# Altium PCB 主板_V1.0.PcbDoc (part 2 of 2)
Units mm, origin at the board's own origin, x right, y up, seen from the top; angles counter-clockwise.
Board outline 125 x 53.81 mm, 2 copper layers (Top Layer, Bottom Layer); 125 components, 128 nets, 570 pads, 78 vias.
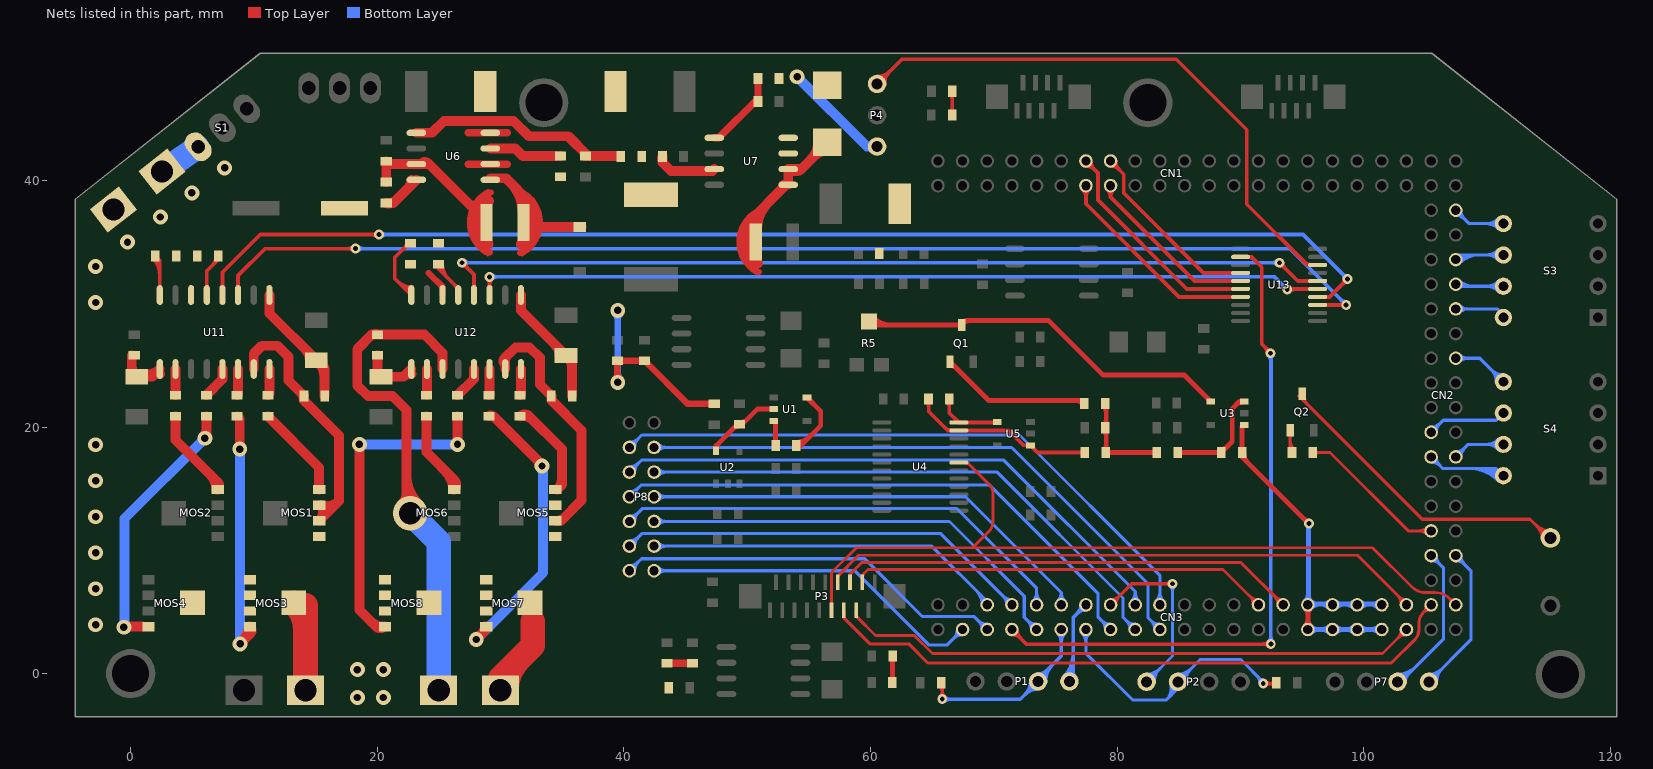
[diagram p2: the nets of this part, all layers, seen from the top]

## Via types
v1: diameter 1.2, hole 0.6, Top Layer to Bottom Layer, 46 vias
v2: diameter 0.8, hole 0.4, Top Layer to Bottom Layer, 22 vias
v3: diameter 1, hole 0.5, Top Layer to Bottom Layer, 6 vias
v4: diameter 2.8, hole 1.8, Top Layer to Bottom Layer, 4 vias

## Nets (pads, with @x,y where several pads share a name; then routed paths per layer and width w, separated by ;. In a path a pad name is that pad's centre, name@x,y a point inside that pad or via, vN(x,y) a via of type N, cw(c..) or ccw(c..) an arc to the next point about the centre after c; other vN are vias at no path point) (continued)
NetB1_2: B1.2 C34.1 MOS1.S MOS3.D U11.15 | length 33.2
  Top Layer w0.8: U11.15@9.982,24.709 9.982,25.947 10.628,26.593 11.898,26.593 12.787,25.704 12.787,23.79 C34.1@14.057,22.52 14.057,22.148 16.902,19.303 16.902,14.011 ; C34.1@14.007,22.42 ccw(c14.542,22.42) 14.164,22.041 ; MOS1.S@15.404,13.641 ccw(c15.847,15.066) 16.902,14.011 ; MOS1.S@15.432,13.678 cw(c14.553,13.129) 15.286,12.395 16.902,14.011
  Top Layer w2: MOS3.D@13.237,5.74 cw(c10.961,3.464) 14.18,3.464 ; B1.2@14.18,-1.347 MOS3.D@14.18,5.54
NetB2_1: B2.1 C37.1 MOS6.D MOS8.S U12.11 | length 45.5
  Top Layer w0.8: 19.375,27.314 cw(c19.926,26.763) C37.1@19.926,27.542 ; 22.363,16.18 ccw(c25.853,16.18) MOS6.D@23.385,13.712 ; MOS6.D@22.944,13.969 cw(c23.154,14.731) 22.363,14.731 22.363,21.386 21.245,22.504 19.239,22.504 18.375,23.367 18.375,26.314 19.554,27.492 C37.1@20.026,27.492 23.826,27.492 25.298,26.02 U12.11@25.298,24.709 ; MOS6.D@21.971,13.712 ccw(c21.025,14.658) 22.363,14.658 cw(c21.025,14.658) MOS6.D@21.971,13.712
  Bottom Layer w2: v4(22.678,13.005) 24.979,10.704 B2.1@24.979,-1.347
NetB2_2: B2.2 C36.1 MOS5.S MOS7.D U12.15 | length 30.7
  Top Layer w0.8: U12.15@30.229,25.25 cw(c30.742,25.279) 30.378,25.642 ; U12.15@30.228,25.259 cw(c30.792,25.259) 30.394,25.657 ; U12.15@30.378,24.709 30.378,25.642 ; MOS5.S@34.563,12.37 ccw(c34.563,13.112) 35.087,12.587 ; MOS5.S@34.895,12.395 36.562,14.062 36.562,19.735 34.123,22.173 C36.1@34.123,22.52 33.183,23.459 33.183,25.628 32.345,26.466 31.202,26.466 30.378,25.642
  Top Layer w2: B2.2@29.979,-1.347 29.979,-0.374 32.612,2.259 32.612,4.228 ; B2.2@30.479,-1.347 cw(c34.036,-1.347) 31.521,1.168
NetBT_1: BT.1 S1.3 | length 3.5
  Bottom Layer w2: BT.1@2.54,40.716 S1.3@5.385,42.673
NetC3_1: C3.1 U1.5 | length 7.9
  Top Layer w0.4: C3.1@53.986,18.367 ccw(c53.986,18.926) 54.382,18.531 ; C3.1@53.986,18.517 54.368,18.517 55.967,20.116 55.967,21.292 U1.5@54.857,22.402 ; C3.1@53.986,18.767 ccw(c53.986,20.292) 55.065,19.213 ; C3.1@54.092,18.411 cw(c54.348,18.154) 54.348,18.517 cw(c54.348,18.879) C3.1@54.092,18.623 ; U1.5@55.007,22.402 ccw(c55.369,22.402) 55.113,22.146
NetC3_2: C3.2 U1.3 | length 2.9
  Top Layer w0.4: U1.3@52.157,20.502 52.31,20.35 C3.2@52.31,18.517 ; C3.2@52.203,18.723 ccw(c51.947,18.979) 52.31,18.979 ccw(c52.672,18.979) C3.2@52.416,18.723 ; U1.3@52.222,20.467 cw(c52.01,20.255) U1.3@52.31,20.255
NetC4_1: C4.1 U1.2 U2.5 | length 7.6
  Top Layer w0.4: U2.5@47.484,18.092 47.484,18.49 49.211,20.218 C4.1@49.389,20.218 49.592,20.218 50.826,21.452 U1.2@51.903,21.452 ; U2.5@47.534,18.192 cw(c48.376,18.192) 47.78,18.787 ; 48.9,19.907 cw(c49.289,19.518) C4.1@49.289,20.068 ; C4.1@49.489,20.368 ccw(c49.489,20.979) 49.921,20.547
NetC10_1: C10.1 U4.24 U5.4 | length 6.4
  Top Layer w0.305: C10.1@66.242,22.035 cw(c65.904,21.698) 66.381,21.698 cw(c66.858,21.698) C10.1@66.521,22.035 ; C10.1@66.381,22.275 66.381,21.159 U4.24@67.17,20.37 70.228,20.37 U5.4@70.274,20.417 ; 69.826,20.37 ccw(c69.826,20.765) U5.4@70.105,20.486
NetC10_2: C10.2 R7.2 U4.23 U5.1 | length 17.5
  Top Layer w0.305: C10.2@64.565,22.035 cw(c64.166,21.637) 64.73,21.637 ; 64.73,21.759 cw(c65.121,21.759) C10.2@64.845,22.035 ; C10.2@64.73,22.275 64.73,21.259 66.269,19.72 U4.23@67.17,19.72 71.212,19.72 72.415,18.517 U5.1@72.974,18.517 73.558,17.932 R7.2@77.379,17.932 ; 66.018,19.972 ccw(c66.57,20.524) U4.23@66.57,19.743 ; U5.1@73.172,18.517 ccw(c73.649,18.517) 73.312,18.179 ; R7.2@77.229,17.793 ccw(c76.891,17.455) 76.891,17.932 ccw(c76.891,18.409) R7.2@77.229,18.072
NetC19_2: C19.2 U6.3 | length 5.9
  Top Layer w0.8: U6.3@29.17,42.595 31.192,42.595 31.801,41.986 C19.2@34.86,41.986
NetC34_2: C34.2 D3.K U11.1 | length 14
  Top Layer w0.8: U11.1@11.252,30.709 11.252,29.22 D3.K@15.048,25.425 15.734,24.739 ; 14.152,26.321 cw(c13.255,25.425) D3.K@14.523,25.425 ; D3.K@15.189,25.266 cw(c13.873,23.95) 15.734,23.95 ; D3.K@15.292,25.207 cw(c15.146,24.638) 15.734,24.638 ; D3.K@15.565,25.367 ccw(c16.193,25.199) 15.734,24.739 ; C34.2@15.734,22.52 15.734,24.739
NetC35_2: C35.2 D4.K U11.9 | length 7.3
  Top Layer w0.8: 0.087,24.879 ccw(c0.994,24.879) D4.K@0.353,24.238 ; C35.2@0.087,25.816 0.087,24.104 0.113,24.078 1.732,24.078 ; D4.K@0.85,24.296 ccw(c1.245,25.825) U11.9@2.362,24.709 1.732,24.078 ; U11.9@2.378,24.308 ccw(c2.296,23.515) 1.732,24.079
NetC36_2: C36.2 D5.K U12.1 | length 11.9
  Top Layer w0.8: U12.1@31.648,30.709 31.648,29.46 D5.K@35.302,25.806 35.8,25.308 C36.2@35.8,22.52 ; 34.406,26.702 cw(c33.51,25.806) D5.K@34.777,25.806 ; D5.K@35.443,25.647 cw(c34.582,24.786) 35.8,24.786
NetC37_2: C37.2 D6.K U12.9 | length 5.3
  Top Layer w0.8: C37.2@20.026,25.816 20.026,24.358 D6.K@20.306,24.078 22.128,24.078 ; U12.9@22.758,24.709 22.128,24.078 ; U12.9@22.774,24.308 ccw(c22.692,23.515) 22.128,24.079
NetCN2_6: CN2.6 S3.5 | length 9.3
  Bottom Layer w0.254: CN2.6@107.472,37.156 cw(c107.472,36.135) 108.194,36.857 cw(c108.916,37.579) CN2.6@107.895,37.579 ; CN2.6@107.472,37.579 108.551,36.5 S3.5@111.329,36.5 ; S3.5@110.924,36.095 ccw(c109.946,35.116) 109.946,36.5 ccw(c109.946,37.883) S3.5@110.924,36.905 ; S3.5@111.103,36.274 ccw(c110.559,35.73) 110.559,36.5 ccw(c110.559,37.27) S3.5@111.103,36.725
NetCN2_10: CN2.10 S3.6 | length 11.4
  Bottom Layer w0.254: CN2.10@107.412,33.639 cw(c108.186,32.865) 108.186,33.96 ; CN2.10@107.472,33.579 107.853,33.96 S3.6@111.329,33.96 ; CN2.10@107.591,33.46 cw(c108.799,32.252) 108.799,33.96 ; CN2.10@107.771,33.28 cw(c109.412,31.639) 109.412,33.96 ; S3.6@110.924,33.555 ccw(c109.946,32.576) 109.946,33.96 ccw(c109.946,35.343) S3.6@110.924,34.365 ; S3.6@111.103,33.734 ccw(c110.559,33.19) 110.559,33.96 ccw(c110.559,34.73) S3.6@111.103,34.185
NetCN2_12: CN2.12 S3.7 | length 9.7
  Bottom Layer w0.254: CN2.12@107.472,31.579 107.631,31.42 S3.7@111.329,31.42 ; CN2.12@107.591,31.699 ccw(c108.264,32.372) 108.264,31.42 ; CN2.12@107.771,31.28 cw(c108.108,30.942) 108.108,31.42 ; CN2.12@107.771,31.878 ccw(c108.878,32.985) 108.878,31.42 ; S3.7@110.924,31.015 ccw(c109.946,30.036) 109.946,31.42 ccw(c109.946,32.803) S3.7@110.924,31.825 ; S3.7@111.103,31.194 ccw(c110.559,30.65) 110.559,31.42 ccw(c110.559,32.19) S3.7@111.103,31.645
NetCN2_14: CN2.14 S3.8 | length 5.9
  Bottom Layer w0.254: CN2.14@107.472,29.579 110.868,29.579 111.329,29.118 S3.8@111.329,28.88 ; CN2.14@107.771,29.28 cw(c108.493,28.558) 108.493,29.579 cw(c108.493,30.6) CN2.14@107.771,29.878
NetCN2_18: CN2.18 S4.5 | length 9.6
  Bottom Layer w0.254: CN2.18@107.472,25.579 109.423,25.579 S4.5@111.329,23.673 ; CN2.18@107.771,25.28 cw(c108.493,24.558) 108.493,25.579 cw(c108.493,26.6) CN2.18@107.771,25.878 ; S4.5@110.756,23.673 ccw(c109.373,23.673) 110.351,24.651 ccw(c111.329,25.629) S4.5@111.329,24.246 ; S4.5@111.01,23.673 ccw(c110.24,23.673) 110.784,24.217 ccw(c111.329,24.762) S4.5@111.329,23.992
NetCN2_23: CN2.23 S4.6 | length 8.1
  Bottom Layer w0.254: CN2.23@105.472,19.579 106.441,20.548 110.744,20.548 S4.6@111.329,21.133 ; CN2.23@105.472,20.002 ccw(c105.472,21.023) 106.194,20.301 ccw(c106.916,19.579) CN2.23@105.895,19.579
NetCN2_25: CN2.25 S4.8 | length 15.8
  Bottom Layer w0.254: CN2.25@105.472,17.156 cw(c105.472,16.135) 106.194,16.857 cw(c106.916,17.579) CN2.25@105.895,17.579 ; CN2.25@105.472,17.579 106.415,16.636 110.746,16.636 S4.8@111.329,16.053 ; 108.537,16.636 cw(c108.537,13.261) S4.8@110.924,15.648 ; 109.15,16.636 cw(c109.15,13.874) S4.8@111.103,15.827 ; 109.763,16.636 cw(c109.763,14.487) S4.8@111.283,16.007 ; 110.377,16.636 cw(c110.377,15.1) S4.8@111.463,16.186
NetCN2_26: CN2.26 S4.7 | length 9.3
  Bottom Layer w0.254: CN2.26@107.472,17.579 108.486,18.593 S4.7@111.329,18.593 ; CN2.26@107.472,18.002 ccw(c107.472,19.023) 108.194,18.301 ccw(c108.916,17.579) CN2.26@107.895,17.579 ; S4.7@110.924,18.188 ccw(c109.946,17.209) 109.946,18.593 ccw(c109.946,19.976) S4.7@110.924,18.998 ; S4.7@111.103,18.367 ccw(c110.559,17.823) 110.559,18.593 ccw(c110.559,19.363) S4.7@111.103,18.818
NetCN2_31: CN2.31 R33.1 | length 14.8
  Top Layer w0.254: R33.1@95.733,17.932 97.267,17.932 103.62,11.579 CN2.31@105.472,11.579 ; R33.1@96.043,17.775 cw(c96.423,17.394) 96.423,17.932 cw(c96.423,18.471) R33.1@96.043,18.09 ; CN2.31@105.173,11.28 ccw(c104.451,10.558) 104.451,11.579 ccw(c104.451,12.6) CN2.31@105.173,11.878
NetCN2_37: CN2.37 P3.13 | length 54.1
  Top Layer w0.254: P3.13@57.844,5.148 57.844,4.523 59.955,2.412 63.105,2.412 64.654,0.863 102.246,0.863 104.14,2.757 ccw(c103.316,3.581) 104.481,3.581 104.481,4.064 cw(c105.748,4.064) 104.851,4.959 ; P3.13@57.867,4.673 ccw(c58.285,4.673) 57.99,4.378 ; CN2.37@105.052,5.531 cw(c104.36,5.452) 104.852,4.959 ; CN2.37@105.424,5.159 ccw(c105.345,4.467) 104.852,4.959 ; CN2.37@105.472,5.579 104.852,4.959
NetCN3_3: CN3.3 P8.14 | length 31.2
  Bottom Layer w0.254: P8.14@42.448,8.345 58.722,8.345 64.73,2.336 66.229,2.336 CN3.3@67.472,3.579 ; P8.14@42.747,8.046 cw(c43.469,7.323) 43.469,8.345 cw(c43.469,9.366) P8.14@42.747,8.644 ; CN3.3@67.049,3.579 cw(c66.028,3.579) 66.75,2.857 cw(c67.472,2.135) CN3.3@67.472,3.156
NetCN3_5: CN3.5 P8.13 | length 35
  Bottom Layer w0.254: P8.13@40.448,8.345 41.424,9.321 59.523,9.321 64.222,4.622 68.429,4.622 CN3.5@69.472,3.579 ; P8.13@40.448,8.768 ccw(c40.448,9.789) 41.17,9.067 ccw(c41.892,8.345) P8.13@40.871,8.345 ; CN3.5@69.049,3.579 ccw(c68.028,3.579) 68.75,4.301 ccw(c69.472,5.023) CN3.5@69.472,4.002
NetCN3_6: CN3.6 P8.12 | length 33.2
  Bottom Layer w0.254: P8.12@42.448,10.345 64.977,10.345 69.472,5.849 CN3.6@69.472,5.579 ; P8.12@42.747,10.046 cw(c43.469,9.323) 43.469,10.345 cw(c43.469,11.366) P8.12@42.747,10.644 ; 68.559,6.763 cw(c67.375,5.579) CN3.6@69.049,5.579 ; 68.992,6.329 cw(c68.242,5.579) CN3.6@69.303,5.579 ; 69.211,6.11 ccw(c69.472,6.371) CN3.6@69.472,6.002
NetCN3_8: CN3.8 P8.11 | length 37
  Bottom Layer w0.254: P8.11@40.448,10.345 41.456,11.353 65.698,11.353 CN3.8@71.472,5.579 ; P8.11@40.448,10.768 ccw(c40.448,11.789) 41.17,11.067 ccw(c41.892,10.345) P8.11@40.871,10.345 ; CN3.8@71.049,5.579 ccw(c70.028,5.579) 70.75,6.301 ccw(c71.472,7.023) CN3.8@71.472,6.002
NetCN3_9: CN3.9 P8.10 | length 38.9
  Bottom Layer w0.254: P8.10@42.448,12.345 66.406,12.345 72.477,6.273 72.477,4.574 CN3.9@73.472,3.579 ; P8.10@42.747,12.046 cw(c43.469,11.323) 43.469,12.345 cw(c43.469,13.366) P8.10@42.747,12.644 ; CN3.9@73.049,3.579 ccw(c72.028,3.579) 72.75,4.301 ccw(c73.472,5.023) CN3.9@73.472,4.002
NetCN3_10: CN3.10 P8.9 | length 40.7
  Bottom Layer w0.254: P8.9@40.448,12.345 41.488,13.385 67.016,13.385 73.472,6.929 CN3.10@73.472,5.579 ; P8.9@40.448,12.768 ccw(c40.448,13.789) 41.17,13.067 ccw(c41.892,12.345) P8.9@40.871,12.345 ; CN3.10@73.173,5.878 ccw(c72.451,6.6) 73.472,6.6 ccw(c74.493,6.6) CN3.10@73.771,5.878
NetCN3_11: CN3.11 P1.3 R2.1 | length 23.9
  Top Layer w0.305: R2.1@65.607,-0.977 cw(c65.085,-1.498) 65.822,-1.498 ; v2@65.647,-1.883 ccw(c65.225,-1.46) 65.822,-1.46 ccw(c66.42,-1.46) v2@65.998,-1.883 ; R2.1@65.746,-0.737 65.822,-0.814 v2(65.822,-2.058)
  Bottom Layer w0.305: v2@65.822,-2.084 72.147,-2.084 P1.3@73.595,-0.636 ; v2@65.998,-2.233 cw(c66.359,-2.595) 66.359,-2.084 ; v2@65.998,-1.883 ccw(c66.482,-1.399) 66.482,-2.084 ; P1.3@72.997,-0.636 cw(c71.555,-0.636) 72.575,-1.656 cw(c73.595,-2.676) P1.3@73.595,-1.233 ; P1.3@73.595,-0.458 75.472,1.419 CN3.11@75.472,3.579 ; P1.3@73.595,-0.038 ccw(c73.595,0.975) 74.311,0.259 ; P1.3@73.888,-0.636 cw(c75.024,-0.636) 74.22,0.168 ; P1.3@74.192,-0.636 cw(c76.064,-0.636) 74.741,0.688 ; CN3.11@75.191,3.298 cw(c74.512,2.619) 75.472,2.619 cw(c76.432,2.619) CN3.11@75.753,3.298
NetCN3_12: CN3.12 P8.8 | length 40.4
  Bottom Layer w0.254: P8.8@42.448,14.345 67.708,14.345 75.472,6.58 ; P8.8@42.747,14.046 cw(c43.469,13.323) 43.469,14.345 cw(c43.469,15.366) P8.8@42.747,14.644 ; CN3.12@75.177,5.882 ccw(c74.498,6.58) 75.472,6.58 ; CN3.12@75.472,5.579 75.472,6.58 ; CN3.12@75.767,5.882 cw(c76.445,6.58) 75.472,6.58
NetCN3_13: CN3.13 P2.3 R3.1 | length 33.8
  Top Layer w0.254: v2(91.857,-0.788) 92.848,-0.788 R3.1@92.899,-0.738 ; v2@92.05,-0.981 cw(c92.517,-1.447) 92.517,-0.788 cw(c92.517,-0.129) v2@92.05,-0.595 ; v2@92.072,-0.957 cw(c92.34,-1.168) 92.429,-0.838 ; v2@92.094,-0.652 ccw(c92.371,-0.492) 92.288,-0.801 ; v2@92.241,-0.788 cw(c92.241,-1.495) R3.1@92.741,-0.995 ; 92.48,-0.788 ccw(c92.48,-0.419) R3.1@92.741,-0.68
  Bottom Layer w0.254: CN3.13@77.173,3.28 cw(c76.451,2.558) 77.472,2.558 cw(c78.493,2.558) CN3.13@77.771,3.28 ; CN3.13@77.472,3.579 77.472,1.659 81.266,-2.134 84.009,-2.134 ; 84.311,-1.832 ccw(c83.549,-1.069) P2.3@84.584,-0.765 ; P2.3@84.34,-0.837 cw(c83.081,-1.207) 84.009,-2.134 ; 84.614,-1.529 ccw(c84.017,-0.932) P2.3@84.827,-0.694 ; P2.3@84.938,-0.292 ccw(c84.938,0.599) 85.568,-0.031 ccw(c86.197,-0.661) P2.3@85.307,-0.661 ; P2.3@84.938,-0.038 ccw(c84.938,1.466) 86.001,0.402 ccw(c87.065,-0.661) P2.3@85.561,-0.661 ; 91.32,-0.149 cw(c90.68,-0.788) v2@91.584,-0.788 ; 91.565,-0.394 ccw(c91.857,-0.101) v2@91.857,-0.515 ; v2@91.908,-0.737 90.029,1.142 86.741,1.142 P2.3@84.938,-0.661 84.938,-1.206 84.009,-2.134
NetCN3_14: CN3.14 P1.4 | length 12.5
  Bottom Layer w0.305: P1.4@75.712,-0.213 ccw(c73.956,1.543) 76.44,1.543 ; P1.4@75.928,-0.429 ccw(c74.692,0.807) 76.44,0.807 ; P1.4@76.135,-0.636 P1.4@76.44,-0.331 ; P1.4@76.143,-0.644 ccw(c75.428,0.071) 76.44,0.071 ccw(c76.842,0.071) P1.4@76.557,-0.213 ; P1.4@76.44,-0.153 76.44,4.547 CN3.14@77.472,5.579 ; CN3.14@77.074,5.579 cw(c76.114,5.579) 76.793,4.9 cw(c77.472,4.222) CN3.14@77.472,5.182
NetCN3_15: CN3.15 P8.7 | length 48.6
  Bottom Layer w0.254: P8.7@40.448,14.345 41.393,15.29 69.673,15.29 78.446,6.517 78.446,4.605 CN3.15@79.472,3.579 ; P8.7@40.448,14.768 ccw(c40.448,15.789) 41.17,15.067 ccw(c41.892,14.345) P8.7@40.871,14.345 ; CN3.15@79.049,3.579 ccw(c78.028,3.579) 78.75,4.301 ccw(c79.472,5.023) CN3.15@79.472,4.002
NetCN3_16: CN3.16 P2.4 | length 22
  Top Layer w0.254: CN3.16@79.472,5.579 81.182,7.289 v2(84.491,7.289) ; CN3.16@79.472,6.002 ccw(c79.472,7.023) 80.194,6.301 ccw(c80.916,5.579) CN3.16@79.895,5.579 ; v2@84.298,7.096 ccw(c83.832,6.63) 83.832,7.289 ccw(c83.832,7.948) v2@84.298,7.482
  Bottom Layer w0.254: P2.4@82.398,-0.661 84.491,1.433 v2(84.491,7.289) ; P2.4@82.398,-0.292 ccw(c82.398,0.599) 83.028,-0.031 ccw(c83.657,-0.661) P2.4@82.767,-0.661 ; P2.4@82.398,-0.038 ccw(c82.398,1.466) 83.461,0.402 ccw(c84.525,-0.661) P2.4@83.021,-0.661 ; v2@84.298,7.096 cw(c83.832,6.63) 84.491,6.63 cw(c85.151,6.63) v2@84.684,7.096
NetCN3_17: CN3.17 P8.6 | length 48.4
  Bottom Layer w0.254: P8.6@42.448,16.345 70.269,16.345 80.478,6.136 80.478,4.573 CN3.17@81.472,3.579 ; P8.6@42.747,16.046 cw(c43.469,15.323) 43.469,16.345 cw(c43.469,17.366) P8.6@42.747,16.644 ; CN3.17@81.049,3.579 ccw(c80.028,3.579) 80.75,4.301 ccw(c81.472,5.023) CN3.17@81.472,4.002
NetCN3_18: CN3.18 P8.5 | length 50.1
  Bottom Layer w0.254: P8.5@40.448,16.345 41.425,17.322 70.816,17.322 81.472,6.666 CN3.18@81.472,5.579 ; P8.5@40.448,16.768 ccw(c40.448,17.789) 41.17,17.067 ccw(c41.892,16.345) P8.5@40.871,16.345 ; CN3.18@81.173,5.878 ccw(c80.451,6.6) 81.472,6.6 ccw(c82.493,6.6) CN3.18@81.771,5.878
NetCN3_19: CN3.19 P8.4 | length 52
  Bottom Layer w0.254: P8.4@42.448,18.345 71.444,18.345 82.51,7.279 82.51,4.541 CN3.19@83.472,3.579 ; P8.4@42.747,18.046 cw(c43.469,17.323) 43.469,18.345 cw(c43.469,19.366) P8.4@42.747,18.644 ; CN3.19@83.049,3.579 ccw(c82.028,3.579) 82.75,4.301 ccw(c83.472,5.023) CN3.19@83.472,4.002
NetCN3_20: CN3.20 P8.3 | length 53.8
  Bottom Layer w0.254: P8.3@40.448,18.345 41.457,19.354 72.086,19.354 83.472,7.968 CN3.20@83.472,5.579 ; P8.3@40.448,18.768 ccw(c40.448,19.789) 41.17,19.067 ccw(c41.892,18.345) P8.3@40.871,18.345 ; CN3.20@83.173,5.878 ccw(c82.451,6.6) 83.472,6.6 ccw(c84.493,6.6) CN3.20@83.771,5.878
NetCN3_28: CN3.28 P3.16 | length 36.1
  Top Layer w0.229: P3.16@59.344,7.398 59.344,7.999 59.803,8.457 88.593,8.457 CN3.28@91.472,5.579 ; P3.16@59.38,7.873 cw(c59.77,7.873) 59.494,8.149 ; CN3.28@91.036,5.579 ccw(c89.984,5.579) 90.728,6.323 ccw(c91.472,7.067) CN3.28@91.472,6.015
NetCN3_30: CN3.30 P3.14 | length 39.6
  Top Layer w0.254: P3.14@58.344,7.398 58.344,8.066 59.295,9.016 90.035,9.016 CN3.30@93.472,5.579 ; P3.14@58.367,7.873 cw(c58.888,7.873) 58.52,8.241 ; CN3.30@93.049,5.579 ccw(c92.028,5.579) 92.75,6.301 ccw(c93.472,7.023) CN3.30@93.472,6.002
NetCN3_39: CN3.39 P3.15 | length 48.8
  Top Layer w0.254: P3.15@58.844,5.148 58.844,4.666 60.412,3.098 63.562,3.098 65.029,1.631 101.524,1.631 CN3.39@103.472,3.579 ; CN3.39@103.049,3.579 cw(c102.028,3.579) 102.75,2.857 cw(c103.472,2.135) CN3.39@103.472,3.156
NetCN3_40: CN3.40 P3.12 | length 51.2
  Top Layer w0.229: P3.12@57.344,7.398 57.344,7.904 59.041,9.6 99.503,9.6 CN3.40@103.498,5.605 ; 102.691,6.412 cw(c101.858,5.579) CN3.40@103.036,5.579 ; 102.817,6.286 ccw(c103.472,6.94) CN3.40@103.472,6.015 ; 103.081,6.022 cw(c102.638,5.579) CN3.40@103.265,5.579
NetD1_A: D1.A L1.1 U6.1 | length 12.4
  Top Layer w0.8: U6.1@29.17,40.182 30.43,40.182 32.314,38.298 32.456,38.298 ; 30.846,39.766 cw(c28.656,37.576) L1.1@31.753,37.576 ; L1.1@31.924,36.647 ccw(c32.908,37.631) 32.908,36.239 ; L1.1@31.951,36.595 ccw(c32.385,36.681) 32.385,36.239 D1.A@36.551,36.239
NetD2_K: D2.K L2.1 U7.5 U7.6 | length 16.8
  Top Layer w0.8: 50.062,36.563 53.148,39.649 U7.5@53.331,39.649 U7.6@53.331,40.919 54.392,40.919 ; L2.1@50.808,36.026 cw(c53.905,36.026) 51.715,38.216 ; 52.778,39.279 ccw(c52.408,39.649) U7.5@52.931,39.649 ; U7.6@53.841,40.774 ccw(c53.993,41.318) 54.392,40.919 ; U7.6@53.881,40.769 ccw(c53.881,41.641) 54.498,41.024 ; 55.166,41.693 ccw(c53.756,43.103) D2.K@55.751,43.103 ; 55.471,41.997 cw(c56.451,41.018) D2.K@56.451,42.403 ; D2.K@56.602,43.128 54.392,40.919
NetL1_2: L1.2 R8.2 R11.2 U6.7 | length 13.9
  Top Layer w0.8: R8.2@20.727,39.878 R11.2@20.726,41.554 20.956,41.325 U6.7@23.17,41.325 24.207,41.325 ; R11.2@20.791,41.519 ccw(c21.259,41.987) 21.259,41.325 ; U6.7@23.684,41.471 cw(c23.817,40.935) 24.207,41.325 ; U6.7@23.72,41.475 cw(c23.72,40.662) 24.295,41.237 ; 27.653,37.973 cw(c27.653,36.376) L1.2@28.782,37.505 ; L1.2@28.448,37.973 27.559,37.973 24.207,41.325
NetLED1_A: LED1.A R16.1 | length 3.4
  Top Layer w0.305: R16.1@66.484,45.553 ccw(c66.147,45.89) 66.623,45.89 ; LED1.A@66.484,46.996 cw(c66.146,46.659) 66.623,46.659 cw(c67.1,46.659) LED1.A@66.763,46.996 ; R16.1@66.624,45.313 LED1.A@66.623,47.236 ; 66.623,45.89 ccw(c67.101,45.89) R16.1@66.763,45.553
NetLED2_A: LED2.A R17.1 | length 3
  Top Layer w0.4: LED2.A@61.667,-0.506 ccw(c61.35,-0.189) 61.798,-0.189 ; R17.1@61.692,1.216 cw(c61.436,0.96) 61.798,0.96 cw(c62.16,0.96) R17.1@61.904,1.216 ; LED2.A@61.798,-0.687 R17.1@61.798,1.422
NetLS_K: LS.K Q2.3 | length 29
  Top Layer w0.254: Q2.3@94.731,22.532 104.742,12.521 113.488,12.521 LS.K@115.149,10.86 ; Q2.3@94.926,22.513 ccw(c95.351,22.513) 95.051,22.213 ; Q2.3@95.18,22.513 ccw(c96.219,22.513) 95.484,21.779 ; 113.964,12.058 ccw(c115.113,13.207) LS.K@115.113,11.582 ; 114.046,11.963 cw(c112.897,10.815) LS.K@114.522,10.815
NetMOS1_1: MOS1.G R19.1 | length 7.7
  Top Layer w0.8: R19.1@11.136,20.879 15.286,16.729 MOS1.G@15.286,14.935
NetMOS2_1: MOS2.G R24.1 | length 9.4
  Top Layer w0.8: R24.1@3.643,20.879 3.643,18.948 7.056,15.534 ; 6.462,16.129 cw(c5.268,14.935) MOS2.G@6.956,14.935 ; MOS2.G@7.056,14.935 7.056,15.534 ; MOS2.G@7.075,14.919 ccw(c6.739,15.217) 7.057,15.534
NetMOS3_1: MOS3.G R20.1 | length 22.9
  Top Layer w0.8: R20.1@8.639,20.879 8.85,20.667 v1(8.85,18.211) ; v1@8.824,2.605 ccw(c8.633,3.317) 9.271,2.949 ; v1(8.876,2.412) 9.673,3.21 ; v1@9.078,2.615 ccw(c7.884,3.81) MOS3.G@9.573,3.81 ; MOS3.G@9.673,3.81 9.673,3.21 ; MOS3.G@9.692,3.827 cw(c9.355,3.528) 9.673,3.21
  Bottom Layer w0.8: v1(8.876,2.412) v1@8.876,18.211
NetMOS4_1: MOS4.G R23.1 | length 23.1
  Top Layer w0.8: v1@-0.497,3.809 MOS4.G@0.961,3.81 ; v1@-0.406,3.617 cw(c0.058,3.153) 0.058,3.81 ; v1@5.877,19.229 ccw(c5.239,19.867) 6.141,19.867 ; v1(6.018,19.087) 6.141,19.21 R23.1@6.141,20.879
  Bottom Layer w0.8: v1@-0.689,3.9 ccw(c-1.153,4.364) -0.497,4.364 ; v1@-0.497,3.758 -0.497,12.572 v1(6.018,19.087)
  other v1: -0.548,3.758
NetMOS5_1: MOS5.G R25.1 | length 10.8
  Top Layer w0.8: R25.1@31.583,20.878 32.32,20.878 ; R25.1@31.652,20.917 cw(c31.964,20.522) 32.32,20.878 ; R25.1@31.683,20.928 cw(c31.683,19.512) 32.685,20.513 ; MOS5.G@34.58,14.918 ccw(c33.599,15.899) 34.987,15.899 ; MOS5.G@34.657,14.985 34.987,15.315 34.987,18.211 32.32,20.878
NetMOS6_1: MOS6.G R30.1 | length 9.4
  Top Layer w0.8: R30.1@23.978,20.879 23.978,17.968 26.242,15.704 ; 25.528,16.418 cw(c24.046,14.935) MOS6.G@26.142,14.935 ; MOS6.G@26.242,14.935 26.242,15.704 ; MOS6.G@26.261,14.918 ccw(c25.84,15.301) 26.242,15.704
NetMOS7_1: MOS7.G R26.1 | length 27.3
  Top Layer w0.8: v1@27.975,2.961 ccw(c27.704,3.976) MOS7.G@28.613,3.451 ; v1@28.007,2.967 ccw(c27.937,3.647) 28.529,3.305 ; v1(28.027,2.768) 28.825,3.566 MOS7.G@28.825,3.81 ; 28.482,3.222 ccw(c27.894,3.81) MOS7.G@28.725,3.81 ; R26.1@29.048,20.879 29.424,20.879 v1@33.361,16.941 ; R26.1@29.148,20.929 cw(c29.148,20.384) 29.533,20.769 ; 32.948,17.354 cw(c32.433,16.839) v1@33.161,16.839
  Bottom Layer w0.8: v1(28.027,2.768) 33.437,8.178 v1@33.437,16.763 ; v1@33.22,16.698 cw(c32.694,16.173) 33.437,16.173
  other v1: 33.361,16.839
NetMOS8_1: MOS8.G R29.1 | length 28.1
  Top Layer w0.8: v1(18.553,18.592) 18.553,5.155 19.899,3.81 ; 19.513,4.196 ccw(c20.505,5.188) MOS8.G@20.505,3.785 ; MOS8.G@20.521,3.791 cw(c20.22,4.131) 19.899,3.81 ; MOS8.G@20.63,3.81 19.899,3.81 ; v1(26.503,18.592) 26.513,18.602 R29.1@26.513,20.879
  Bottom Layer w0.8: v1(18.553,18.592) v1(26.503,18.592)
NetP4_1: P4.1 U13.8 | length 49.8
  Top Layer w0.305: P4.1@60.539,47.827 62.546,49.834 84.796,49.834 90.511,44.119 90.511,38.074 95.435,33.15 U13.8@96.266,33.15 ; P4.1@60.539,48.425 ccw(c60.539,49.868) 61.559,48.848 ccw(c62.58,47.827) P4.1@61.137,47.827 ; 95.233,33.353 ccw(c95.666,33.786) U13.8@95.666,33.173
NetQ1_1: Q1.1 R6.2 | length 13.5
  Top Layer w0.4: Q1.1@66.447,24.995 cw(c66.447,24.27) 66.959,24.783 ; Q1.1@66.447,25.295 69.594,22.148 R6.2@77.379,22.148 ; 76.595,22.148 cw(c76.595,21.26) R6.2@77.223,21.888
NetQ2_1: Q2.1 R33.2 | length 3.2
  Top Layer w0.254: Q2.1@93.935,19.41 cw(c93.703,19.178) 94.031,19.178 ; R33.2@94.031,17.932 Q2.1@94.031,19.606 ; 94.031,18.939 ccw(c95.089,18.939) R33.2@94.341,18.19 ; 94.031,19.051 cw(c94.538,19.051) Q2.1@94.179,19.41
NetR1_1: R1.1 R4.2 U3.3 | length 10.9
  Top Layer w0.4: R1.1@84.912,17.932 R4.2@88.443,17.932 89.343,18.832 89.343,21.488 89.922,22.067 U3.3@90.308,22.067 ; R1.1@85.018,17.826 cw(c85.274,17.57) 85.274,17.932 cw(c85.274,18.295) R1.1@85.018,18.038 ; R4.2@88.337,17.826 ccw(c88.081,17.57) 88.081,17.932 ccw(c88.081,18.295) R4.2@88.337,18.038 ; R4.2@88.443,18.182 ccw(c88.443,18.786) 88.87,18.359 ; 89.634,21.779 cw(c90.208,21.206) U3.3@90.208,22.017
NetR8_1: R8.1 U6.8 | length 4.8
  Top Layer w0.8: R8.1@20.727,38.176 21.291,38.176 U6.8@23.17,40.055 ; R8.1@20.827,38.126 ccw(c20.827,39.127) 21.535,38.419 ; 22.487,39.372 ccw(c21.805,40.055) U6.8@22.77,40.055
NetR9_2: R9.2 R10.2 U7.1 | length 6.5
  Top Layer w0.6: U7.1@47.331,43.459 47.7,43.459 50.876,46.634 R9.2@50.876,48.285
NetR12_1: R12.1 U7.3 | length 5.6
  Top Layer w0.8: R12.1@43.079,41.835 ccw(c43.857,41.835) 43.307,41.285 ; R12.1@43.129,41.935 43.129,41.463 43.826,40.766 47.179,40.766 U7.3@47.331,40.919
NetR13_2: R13.2 R14.1 U6.5 | length 18.6
  Top Layer w0.8: U6.5@23.17,43.865 24.44,43.865 25.406,44.831 31.049,44.831 32.294,43.586 35.485,43.586 R13.2@37.014,42.057 ; 36.652,42.419 cw(c36.22,41.986) R13.2@36.831,41.986 ; R13.2@36.881,41.986 R14.1@39.649,41.986
NetR19_2: R19.2 U11.16 | length 2.2
  Top Layer w0.8: R19.2@11.136,22.581 11.252,22.697 U11.16@11.252,24.709
NetR20_2: R20.2 U11.14 | length 2.2
  Top Layer w0.8: R20.2@8.639,22.581 8.712,22.654 U11.14@8.712,24.709
NetR21_2: R21.2 U11.8 | length 5.9
  Top Layer w0.305: R21.2@1.841,33.644 cw(c0.584,32.387) 2.362,32.387 ; R21.2@1.981,33.884 2.362,33.503 ; R21.2@2.031,33.593 cw(c2.118,33.259) 2.362,33.503 ; R21.2@2.057,33.86 cw(c1.32,33.123) 2.362,33.123 ; U11.8@2.362,30.709 2.362,33.503
NetR22_2: R22.2 U11.5 | length 4.2
  Top Layer w0.305: U11.5@6.172,30.709 6.172,32.664 R22.2@7.252,33.744 ; 6.648,33.14 ccw(c6.004,33.784) R22.2@6.914,33.784
NetR23_2: R23.2 U11.13 | length 2.7
  Top Layer w0.8: R23.2@6.141,22.581 7.442,23.882 U11.13@7.442,24.709
NetR24_2: R24.2 U11.10 | length 2.1
  Top Layer w0.8: U11.10@3.632,24.709 3.632,22.592 R24.2@3.643,22.581
NetR25_2: R25.2 U12.16 | length 2.2
  Top Layer w0.8: R25.2@31.583,22.58 31.648,22.645 U12.16@31.648,24.709
NetR26_2: R26.2 U12.14 | length 2.2
  Top Layer w0.8: R26.2@29.048,22.581 29.108,22.641 U12.14@29.108,24.709
NetR27_2: R27.2 U12.8 | length 7.9
  Top Layer w0.305: 21.653,31.814 ccw(c22.758,32.92) U12.8@22.758,31.356 ; 22.173,31.294 ccw(c22.758,31.879) U12.8@22.758,31.051 ; 22.21,34.542 cw(c22.593,34.159) R27.2@22.593,34.701 ; R27.2@22.275,34.608 ccw(c21.984,34.899) R27.2@22.396,34.899 ; R27.2@22.566,34.899 21.423,33.756 21.423,32.044 U12.8@22.758,30.709 ; U12.8@22.694,30.773 ccw(c22.758,30.838) U12.8@22.758,30.747
NetR28_2: R28.2 U12.5 | length 5.9
  Top Layer w0.305: R28.2@24.865,33.036 cw(c24.71,32.816) 24.979,32.816 ; R28.2@24.972,33.197 ccw(c25.875,33.197) 25.236,32.559 ; R28.2@24.979,33.197 24.979,32.816 ; R28.2@25.093,33.036 ccw(c25.248,32.816) 24.979,32.816 ; R28.2@25.277,33.197 ccw(c26.916,33.197) 25.757,32.039 ; 26.348,31.448 ccw(c26.568,31.668) U12.5@26.568,31.356 ; U12.5@26.568,30.709 26.568,31.227 24.979,32.816
NetR29_2: R29.2 U12.13 | length 2.7
  Top Layer w0.8: R29.2@26.513,22.581 27.838,23.906 U12.13@27.838,24.709
NetR30_2: R30.2 U12.10 | length 2.1
  Top Layer w0.8: R30.2@24.028,22.631 U12.10@24.028,24.709
NetU11_3: U11.3 U13.3 | length 100.3
  Top Layer w0.305: U11.3@8.712,30.709 8.712,32.297 10.882,34.467 v2(18.248,34.467) ; v2@18.073,34.292 ccw(c17.65,33.869) 17.65,34.467 ccw(c17.65,35.065) v2@18.073,34.642 ; U13.3@96.266,29.9 v2(98.583,29.9) ; v2@98.408,29.725 ccw(c97.985,29.303) 97.985,29.9 ccw(c97.985,30.498) v2@98.408,30.075
  Bottom Layer w0.305: v2(18.248,34.467) 94.016,34.467 v2(98.583,29.9) ; v2@18.423,34.292 cw(c18.846,33.869) 18.846,34.467 cw(c18.846,35.065) v2@18.423,34.642 ; v2@98.336,29.9 ccw(c97.738,29.9) 98.16,30.323 ccw(c98.583,30.746) v2@98.583,30.148
NetU11_4: U11.4 U13.4 | length 102.7
  Top Layer w0.305: U11.4@7.442,30.709 7.442,32.551 10.501,35.61 v2(20.153,35.61) ; v2@19.978,35.435 ccw(c19.555,35.012) 19.555,35.61 ccw(c19.555,36.208) v2@19.978,35.785 ; U13.4@96.266,30.55 97.237,30.55 v2(98.69,32.003) v2@98.69,32.054 ; v2@98.442,32.003 cw(c97.845,32.003) 98.267,31.581 cw(c98.69,31.158) v2@98.69,31.756
  Bottom Layer w0.305: v2(20.153,35.61) 95.083,35.61 v2(98.69,32.003) ; v2@20.328,35.435 cw(c20.751,35.012) 20.751,35.61 cw(c20.751,36.208) v2@20.328,35.785 ; v2@98.442,32.003 ccw(c97.845,32.003) 98.267,32.426 ccw(c98.69,32.849) v2@98.69,32.251
NetU12_3: U12.3 U13.5 | length 72.8
  Top Layer w0.305: v2@28.933,32.006 cw(c28.511,31.583) 29.108,31.583 cw(c29.706,31.583) v2@29.283,32.006 ; U12.3@29.108,30.709 v2(29.108,32.181) ; v2(93.801,31.152) 93.849,31.2 U13.5@96.266,31.2 ; v2@93.976,30.977 cw(c94.514,30.439) 94.514,31.2 ; v2@93.976,31.327 ccw(c94.282,31.634) 94.282,31.2
  Bottom Layer w0.305: v2(29.108,32.181) 92.772,32.181 v2(93.801,31.152) ; v2@29.283,32.006 cw(c29.706,31.583) 29.706,32.181 cw(c29.706,32.779) v2@29.283,32.356 ; v2@93.553,31.152 ccw(c92.955,31.152) 93.378,31.575 ccw(c93.801,31.998) v2@93.801,31.4
NetU12_4: U12.4 U13.6 | length 76.8
  Top Layer w0.305: v2@26.884,33.076 cw(c26.884,32.479) 27.307,32.901 cw(c27.73,33.324) v2@27.132,33.324 ; v2(26.884,33.324) 27.838,32.37 U12.4@27.838,30.709 ; v2@93.178,33.076 cw(c93.178,32.479) 93.601,32.901 cw(c94.024,33.324) v2@93.426,33.324 ; v2(93.178,33.324) 94.652,31.85 U13.6@96.266,31.85
  Bottom Layer w0.305: v2(26.884,33.324) v2(93.178,33.324) ; v2@27.059,33.149 cw(c27.482,32.726) 27.482,33.324 cw(c27.482,33.922) v2@27.059,33.499 ; v2@93.003,33.149 ccw(c92.58,32.726) 92.58,33.324 ccw(c92.58,33.922) v2@93.003,33.499
PGND: BT.2 C16.K C17.2 C18.K C19.1 C20.K C21.K C22.1 C23.1 C25.1 C26.1 C33.K D2.A MOS3.S MOS4.D MOS7.S MOS8.D P4.3 R9.1 R14.2 R15.2 R18.2 R21.1 R22.1 R27.1 R28.1 U6.2 U6.4 U7.7 U7.8 U11.6 U12.6 | length 40.7
  Top Layer w0.508: 24.17,32.488 25.298,31.36 U12.6@25.298,30.709 ; v1@39.252,23.867 ccw(c38.723,24.396) 39.472,24.396 ; 39.472,24.519 ccw(c40.394,24.519) v1@39.742,23.867 ; v1(39.497,23.622) 39.472,23.647 C25.1@39.472,25.375 C26.1@41.681,25.375 45.162,21.894 R18.2@47.331,21.894 ; C26.1@41.877,25.375 ccw(c42.351,25.375) C26.1@42.016,25.04
  Top Layer w0.6: 27.381,41.326 30.556,41.326 ; 27.381,43.866 30.556,43.866 ; C22.1@43.492,0.833 C23.1@45.575,0.833
  Bottom Layer w0.508: v1@39.252,23.867 ccw(c38.662,24.457) 39.497,24.457 ccw(c40.332,24.457) v1@39.742,23.867 ; v1@39.252,29.219 cw(c38.662,28.629) 39.497,28.629 cw(c40.332,28.629) v1@39.742,29.219 ; v1(39.497,23.622) v1(39.497,29.464)
  Bottom Layer w0.8: v1(54.051,48.412) 59.716,42.747 P4.3@60.539,42.747
  other v1: 18.39,-1.93 20.498,-1.93 18.39,0.33 20.498,0.33 -2.845,3.962 -2.845,6.883 -2.845,9.804 -2.845,12.725 -2.845,15.646 -2.845,18.567 -2.845,30.099 -2.845,33.02 -0.254,35.001 2.413,37.04 4.962,38.989 7.62,41.021
PIXCLK: CN2.38 P3.11 U4.19 | length 66.4
  Top Layer w0.229: P3.11@56.844,5.148 56.844,8.191 58.863,10.21 68.286,10.21 ; U4.19@67.17,17.12 67.853,17.12 69.596,15.377 cw(c68.772,14.554) 69.937,14.554 69.937,12.344 cw(c68.772,12.344) 69.596,11.52 68.286,10.21 ; U4.19@67.77,17.059 cw(c67.77,16.712) 68.016,16.958 ; CN2.38@107.054,5.704 ccw(c106.677,5.817) 106.955,6.096 ; CN2.38@107.347,5.997 cw(c107.234,6.374) 106.955,6.096 ; CN2.38@107.472,5.579 106.955,6.096 ; 68.286,10.21 100.722,10.21 103.871,7.061 ccw(c105.038,8.228) 105.038,6.578 105.791,6.578 cw(c105.791,4.931) 106.955,6.096
PWM_1: CN1.13 U13.17 | length 18.7
  Top Layer w0.305: CN1.13@77.191,39.298 cw(c76.512,38.619) 77.472,38.619 cw(c78.432,38.619) CN1.13@77.753,39.298 ; CN1.13@77.472,39.579 77.472,38.108 85.03,30.55 U13.17@90.016,30.55
PWM_2: CN1.14 U13.16 | length 19.6
  Top Layer w0.305: CN1.14@77.472,41.181 cw(c77.472,40.222) 78.151,40.9 cw(c78.829,41.579) CN1.14@77.869,41.579 ; CN1.14@77.472,41.579 78.446,40.605 78.446,38.404 85.65,31.2 U13.16@90.016,31.2
PWM_3: CN1.15 U13.15 | length 15.7
  Top Layer w0.305: CN1.15@79.197,39.292 cw(c78.582,38.649) 79.472,38.649 ; CN1.15@79.472,39.579 79.472,38.648 ; CN1.15@79.747,39.292 ccw(c80.362,38.649) 79.472,38.649 ; U13.15@90.016,31.85 86.27,31.85 79.472,38.648
PWM_4: CN1.16 U13.14 | length 16.7
  Top Layer w0.305: CN1.16@79.472,41.181 cw(c79.472,40.222) 80.151,40.9 cw(c80.829,41.579) CN1.16@79.869,41.579 ; CN1.16@79.472,41.579 80.541,40.51 80.541,38.976 87.017,32.5 U13.14@90.016,32.5
PWM_S: CN3.7 U13.12 | length 77
  Top Layer w0.305: CN3.7@71.472,3.182 cw(c71.472,2.222) 72.151,2.9 cw(c72.829,3.579) CN3.7@71.869,3.579 ; CN3.7@71.472,3.579 72.664,2.387 92.442,2.387 v2(92.467,2.412) ; U13.12@90.016,33.8 90.899,33.8 91.73,32.968 91.73,26.745 v2@92.492,25.983 ; U13.12@90.616,33.778 cw(c90.616,33.041) 91.137,33.562 ; 91.808,2.387 ccw(c91.808,3.071) v2@92.292,2.587 ; 91.931,2.387 cw(c91.931,1.876) v2@92.292,2.237 ; 91.983,26.493 cw(c91.474,25.983) v2@92.194,25.983 ; 92.106,26.37 ccw(c92.442,26.706) v2@92.442,26.231
  Bottom Layer w0.305: v2@92.292,2.587 ccw(c91.869,3.01) 92.467,3.01 ccw(c93.065,3.01) v2@92.642,2.587 ; v2(92.467,2.412) 92.467,25.958 92.492,25.983 92.492,10.21 ; 92.467,25.324 ccw(c91.783,25.324) 92.267,25.808 cw(c91.721,25.263) 92.492,25.263 ; 92.467,25.447 cw(c92.978,25.447) 92.617,25.808 ccw(c92.917,25.508) 92.492,25.508
  other v2: 92.442,25.983
RX: CN2.33 P7.2 | length 17.5
  Bottom Layer w0.254: P7.2@102.754,-0.661 103.008,-0.661 106.462,2.793 106.462,8.589 CN2.33@105.472,9.579 ; P7.2@102.754,-0.292 ccw(c102.754,1.212) 103.818,0.148 ; P7.2@102.754,-0.038 ccw(c102.754,2.079) 104.251,0.582 ; P7.2@103.377,-0.661 cw(c104.268,-0.661) 103.638,-0.031 ; CN2.33@105.472,9.156 cw(c105.472,8.135) 106.194,8.857 cw(c106.916,9.579) CN2.33@105.895,9.579
TX: CN2.34 P7.1 | length 17.5
  Bottom Layer w0.254: P7.1@105.294,-0.661 108.698,2.742 108.698,8.353 CN2.34@107.472,9.579 ; P7.1@105.294,-0.292 ccw(c105.294,0.599) 105.924,-0.031 ccw(c106.554,-0.661) P7.1@105.663,-0.661 ; P7.1@105.294,-0.038 ccw(c105.294,1.466) 106.358,0.402 ccw(c107.421,-0.661) P7.1@105.917,-0.661 ; CN2.34@107.472,9.156 cw(c107.472,8.135) 108.194,8.857 cw(c108.916,9.579) CN2.34@107.895,9.579
VI_OUT: CN3.31 CN3.32 CN3.33 CN3.34 CN3.35 CN3.36 CN3.37 CN3.38 R4.1 U3.1 | length 53.6
  Top Layer w0.4: R4.1@90.039,18.138 ccw(c89.782,18.395) 90.145,18.395 ccw(c90.507,18.395) R4.1@90.251,18.138 ; 90.145,19.893 cw(c90.482,19.893) U3.1@90.243,20.132 ; R4.1@90.295,17.832 ccw(c91.335,17.832) 90.599,17.097 ; U3.1@90.308,20.167 90.145,20.003 R4.1@90.145,17.932 90.145,17.551 95.504,12.192 v2(95.567,12.192) ; 95.118,12.578 ccw(c95.567,13.028) v2@95.567,12.392 ; CN3.31@95.224,3.827 ccw(c94.627,4.424) 95.472,4.424 ccw(c96.317,4.424) CN3.31@95.719,3.827 ; CN3.32@95.224,5.332 cw(c94.627,4.734) 95.472,4.734 cw(c96.317,4.734) CN3.32@95.719,5.332 ; CN3.31@95.472,3.579 CN3.32@95.472,5.579
  Bottom Layer w0.4: CN3.32@95.224,5.827 ccw(c94.461,6.59) 95.54,6.59 ; v2@95.426,12.051 cw(c95.15,11.775) 95.54,11.775 ; CN3.31@95.472,3.579 CN3.33@97.472,3.579 CN3.35@99.472,3.579 CN3.37@101.472,3.579 ; 95.54,6.258 ccw(c96.151,6.258) 95.719,5.827 ccw(c96.151,6.258) 96.151,5.648 ; 95.54,11.644 cw(c96.116,11.644) v2@95.709,12.051 ; v2@95.54,12.192 95.54,5.648 101.403,5.648 CN3.38@101.472,5.579 ; CN3.31@95.719,3.332 cw(c96.317,2.734) 96.317,3.579 cw(c96.317,4.424) CN3.31@95.719,3.827 ; CN3.32@95.719,5.332 cw(c96.482,4.569) 96.482,5.648 ; 96.461,5.648 cw(c96.461,4.569) CN3.34@97.224,5.332 ; 96.792,5.648 ccw(c96.792,6.258) CN3.34@97.224,5.827 ; CN3.33@97.224,3.332 ccw(c96.627,2.734) 96.627,3.579 ccw(c96.627,4.424) CN3.33@97.224,3.827 ; CN3.33@97.719,3.332 cw(c98.317,2.734) 98.317,3.579 cw(c98.317,4.424) CN3.33@97.719,3.827 ; CN3.34@97.719,5.332 cw(c98.482,4.569) 98.482,5.648 ; CN3.34@97.719,5.827 ccw(c98.151,6.258) 98.151,5.648 ; 98.461,5.648 cw(c98.461,4.569) CN3.36@99.224,5.332 ; 98.792,5.648 ccw(c98.792,6.258) CN3.36@99.224,5.827 ; CN3.35@99.224,3.332 ccw(c98.627,2.734) 98.627,3.579 ccw(c98.627,4.424) CN3.35@99.224,3.827 ; CN3.35@99.719,3.332 cw(c100.317,2.734) 100.317,3.579 cw(c100.317,4.424) CN3.35@99.719,3.827 ; CN3.36@99.719,5.332 cw(c100.482,4.569) 100.482,5.648 ; CN3.36@99.719,5.827 ccw(c100.151,6.258) 100.151,5.648 ; 100.461,5.648 cw(c100.461,4.569) CN3.38@101.224,5.332 ; 100.792,5.648 ccw(c100.792,6.258) CN3.38@101.224,5.827 ; CN3.37@101.224,3.332 ccw(c100.627,2.734) 100.627,3.579 ccw(c100.627,4.424) CN3.37@101.224,3.827
VIDEO: C11.1 R1.2 R6.1 R7.1 | length 11.1
  Top Layer w0.4: R6.1@78.924,21.688 cw(c78.45,21.213) 79.121,21.213 ; C11.1@78.939,19.737 cw(c78.499,19.297) 79.121,19.297 ; C11.1@78.939,20.149 ccw(c78.499,20.589) 79.121,20.589 ; R7.1@78.964,18.138 ccw(c78.585,18.517) 79.121,18.517 ; R7.1@79.107,17.932 R1.2@83.21,17.932 ; R7.1@79.121,17.907 R6.1@79.121,21.829 ; R7.1@79.176,17.826 cw(c79.432,17.57) 79.432,17.932 cw(c79.432,18.295) R7.1@79.176,18.038 ; R1.2@83.104,17.826 ccw(c82.848,17.57) 82.848,17.932 ccw(c82.848,18.295) R1.2@83.104,18.038
VREF: Q1.3 R5.2 U3.4 | length 34.7
  Top Layer w0.4: R5.2@59.888,28.564 60.176,28.276 Q1.3@67.397,28.276 67.746,28.625 ; R5.2@59.924,28.6 ccw(c60.705,29.381) 60.705,28.276 ; R5.2@60.206,28.882 ccw(c61.67,30.346) 61.67,28.276 ; Q1.3@67.438,28.568 ccw(c67.55,28.821) 67.746,28.625 ; Q1.3@67.468,28.405 cw(c67.998,27.875) 67.998,28.625 ; Q1.3@67.492,28.444 cw(c67.746,28.356) 67.746,28.625 ; 87.352,22.323 cw(c87.096,22.067) U3.4@87.458,22.067 ; U3.4@87.608,22.067 85.469,24.205 78.878,24.205 74.458,28.625 67.746,28.625
pads on no net: CN1.4 CN1.6 CN1.8 CN1.9 CN1.10 CN1.11 CN1.12 CN1.17 CN1.18 CN1.21 CN1.22 CN1.23 CN1.24 CN1.25 CN1.26 CN1.27 CN1.28 CN1.29 CN1.30 CN1.31 CN1.32 CN1.37 CN1.38 CN1.39 CN2.1 CN2.3 CN2.4 CN2.5 CN2.9 CN2.11 CN2.13 CN2.15 CN2.16 CN2.17 CN2.19 CN2.32 CN3.2 CN3.4 CN3.21 CN3.22 CN3.23 CN3.24 CN3.25 CN3.26 CN3.27 CN3.29 P3.0 P5.0 P6.0 R5.3 S1.1 S2.1 U2.1 U4.2 U4.3 U4.4 U4.17 U4.18 U8.8 U9.8 U10.8

## Polygon pours and split planes (outlines as drawn)
AGND on Top Layer "Top Layer-No Net" (solid, remove dead copper, pour order 41): 47.204,7.441 45.172,9.575 45.172,20.624 44.029,21.767 41.87,21.767 40.448,20.345 39.472,23.647 39.472,25.375 56.413,25.248 56.221,26.822 54.305,29.489 54.432,30.759 58.038,30.657 59.029,31.648 62.662,31.649 62.662,34.177 66.635,38.15 67.524,36.88 67.524,32.943 69.01,31.457 69.342,31.928 71.715,31.927 71.715,30.657 74.077,30.607 79.477,25.273 84.212,25.171 85.33,26.289 87.237,26.42 89.841,28.6 93.548,28.575 93.331,17.159 98.68,11.81 98.654,10.135 59.182,10.21 59.344,7.398 47.128,7.619
PGND on Top Layer "Top Layer-No Net" (solid, remove dead copper, pour order 43): -4.485,38.5 -4.485,-3.48 44.854,-3.48 44.854,2.106 38.69,8.061 38.69,25.97 42.701,29.88 44.685,29.88 45.904,31.087 45.904,37.79 47.71,39.578 48.426,38.74 48.503,32.825 50.681,30.667 58.587,30.667 59.587,31.657 63.251,31.657 63.251,34.185 67.259,38.156 64.711,38.106 64.686,45.367 61.11,45.29 61.047,50.343 10.639,50.306 -4.485,38.5
GND on Top Layer "Top Layer-No Net" (solid, pour order 53): 120.515,-3.506 ccw(c120.435,-3.426) 120.548,-3.426 120.548,-3.277 44.196,-3.277 44.196,1.905 38.314,8.041 38.314,25.958 42.29,29.87 44.258,29.87 45.466,31.078 45.466,37.783 47.066,39.522 47.904,38.913 47.966,32.892 50.201,30.657 58.09,30.709 59.029,31.648 62.662,31.649 62.662,34.177 66.548,38.063 64.185,38.271 64.008,45.237 60.35,45.314 60.376,50.368 105.523,50.306 120.515,38.494 120.515,-3.506
PGND on Bottom Layer "Top Layer-No Net" (solid, remove dead copper, pour order 47): -4.485,38.494 -4.485,-3.404 -4.434,-3.454 31.775,-3.454 31.75,-3.454 31.75,0.178 31.75,0.127 27.965,0.127 28.027,0.127 28.027,2.768 33.437,8.178 33.426,11.151 27.572,16.306 15.353,16.56 15.353,36.362 5.69,46.076 -4.485,38.494
GND on Bottom Layer "Top Layer-No Net" (solid, pour order 49): 120.515,-3.506 120.515,38.494 105.523,50.306 10.507,50.306 3.785,44.856 22.631,-3.454 120.515,-3.454

## Keep-outs
Keep-Out Layer:
  circle w0.127: c82.515,46.294 r1.3
  lines w0.127: -4.485,-3.506 -4.485,38.494 10.507,50.306 105.523,50.306 120.515,38.494 120.515,-3.506 64.515,-3.506 -4.485,-3.506

## Other copper
Top Layer:
  region net 7.2V: 6.564,14.045 6.564,10.743 10.679,10.743 10.679,12.75 7.555,12.75 7.555,14.045
  region net 7.2V: 25.741,14.045 25.741,10.743 29.856,10.743 29.856,12.75 26.732,12.75 26.732,14.045
  region net NetB2_2: 34.936,14.045 34.936,10.743 34.938,7.239 31.431,7.238 33.945,10.769 33.945,14.045
  region net NetB1_1: 0.951,4.698 0.951,8 0.949,11.505 4.456,11.505 1.941,7.975 1.941,4.698
  region net NetB2_1: 20.128,4.698 20.128,8 20.126,11.505 23.633,11.505 21.118,7.975 21.118,4.698
  region net PGND: 10.171,4.724 10.171,8.026 6.056,8.026 6.056,6.019 9.18,6.019 9.18,4.724
  region net PGND: 29.323,4.698 29.323,8 25.208,8 25.208,5.994 28.332,5.994 28.332,4.698
  region net NetB1_2: 15.784,14.071 15.784,10.769 15.786,7.264 12.279,7.264 14.794,10.794 14.794,14.071

## Silkscreen, mask and mechanical layers (free items; w line width, h text height)
Top Overlay:
  lines w0.152: 64.126,38.15 104.1,38.15 ; 66.599,38.125 66.599,38.15
  text "6.0V" at 64.476,48.361 h0.76
  text "PWM" at 63.079,47.243 h0.76 r90
  text "6.0V" at 63.079,43.967 h0.76 r90
  text "GND" at 63.079,41.35 h0.76 r90
  text "TFT" at 40.346,22.148 h0.76
  text "Camera" at 53.238,9.195 h1.02
  text "By 天翊  V1.0" at 93.243,9.068 h1.78
  text "18" at 59.93,8.457 h0.76
  text "5.0V" at 59.549,-2.592 h0.76
  text "GND" at 67.245,-3.176 h0.76
  text "3.3" at 70.039,-3.176 h0.76
  text "LSB" at 72.706,-3.176 h0.76
  text "DIR" at 75.373,-3.176 h0.76
  text "DIR" at 81.266,-3.176 h0.76
  text "LSB" at 83.958,-3.176 h0.76
  text "3.3" at 86.574,-3.176 h0.76
  text "GND" at 89.19,-3.176 h0.76
  text "3.3" at 96.404,-3.176 h0.76
  text "GND" at 99.325,-3.176 h0.76
  text "RX" at 102.398,-3.176 h0.76
  text "TX" at 104.761,-3.176 h0.76
Top Solder:
  region: 0.951,4.698 0.951,8 0.949,11.505 4.456,11.505 1.941,7.975 1.941,4.698
  region: 15.784,14.045 15.784,10.743 15.786,7.239 12.279,7.238 14.794,10.769 14.794,14.045
  region: 6.564,14.045 6.564,10.743 10.679,10.743 10.679,12.75 7.555,12.75 7.555,14.045
  region: 10.171,4.724 10.171,8.026 6.056,8.026 6.056,6.019 9.18,6.019 9.18,4.724
  region: 29.323,4.698 29.323,8 25.208,8 25.208,5.994 28.332,5.994 28.332,4.698
  region: 25.741,14.045 25.741,10.743 29.856,10.743 29.856,12.75 26.732,12.75 26.732,14.045
  region: 20.128,4.698 20.128,8 20.126,11.505 23.633,11.505 21.118,7.975 21.118,4.698
  region: 34.936,14.045 34.936,10.743 34.938,7.239 31.431,7.238 33.945,10.769 33.945,14.045
  region: 36.322,1.168 37.084,0.787 35.814,0.025 35.052,0.406
  region: 37.998,5.994 38.76,5.613 37.49,4.851 36.728,5.232
  region: 39.141,5.41 39.903,5.029 38.633,4.267 37.871,4.648
  region: 40.259,4.826 41.021,4.445 39.751,3.683 38.989,4.064
  region: 38.583,3.81 39.345,3.429 38.075,2.667 37.313,3.048
  region: 39.726,3.2 40.488,2.819 39.218,2.057 38.456,2.438
  region: 36.881,2.769 37.643,2.388 36.373,1.626 35.611,2.007
  region: 38.024,2.184 38.786,1.803 37.516,1.041 36.754,1.422
  lines w2: 14.18,-1.347 14.18,5.54 ; 29.493,-0.86 32.612,2.259 32.612,4.228 ; 29.979,-1.347 29.979,-0.374
  text "NCIAE" at 37.059,-0.584 h1.4
  text "摄像头2队  2015" at 32.664,-2.184 h1.52
Bottom Solder:
  lines w2: 2.54,40.716 5.472,42.733 ; 3.542,12.852 3.542,3.835 8.723,-1.347 ; 7.442,44.272 15.353,36.362 15.353,16.56 ; 11.722,13.005 15.023,16.306 27.572,16.306 30.874,13.005 ; 22.678,13.005 24.979,10.704 24.979,-1.347
Mechanical 1:
  circle w0.254: c33.503,46.304 r3
  circle w0.127: c115.965,-0.057 r1.4
  circle w0.127: c0.015,-0.006 r1.4
  circle w0.127: c82.515,46.294 r1.4
  circle w0.127: c33.515,46.294 r1.4
  lines w0.152: -6.255,-2.855 -6.255,31.545 ; -6.212,-2.855 49.922,-2.863 ; -6.212,31.545 49.922,31.545 ; 49.945,-2.863 49.945,31.545
Mechanical 16:
  drawing of 1874 lines, arcs and shapes, not listed
  text "1" at -56.319,120.054 h0.76
  text "2" at 16.325,120.054 h0.76
  text "3" at 89.477,120.054 h0.76
  text "4" at 162.375,120.054 h0.76
  text "A" at -90.66,97.042 h0.76
  text "A" at 196.36,97.042 h0.76
  text "B" at -90.66,48.985 h0.76
  text "B" at 196.36,48.985 h0.76
  text "C" at -90.66,0.471 h0.76
  text "C" at 196.36,0.471 h0.76
  text "ENGINEER:" at 81.425,-36.537 h0.76
  text "TITLE:" at 119.525,-36.537 h0.76
  text "PCB DESIGNER:" at 81.425,-44.03 h0.76
  text "D" at -90.66,-47.535 h0.76
  text "D" at 196.36,-47.535 h0.76
  text "DATE:" at 81.425,-51.777 h0.76
  text "PART NO.:" at 119.525,-51.777 h0.76
  text "REV:" at 172.865,-51.777 h0.76
  text "Altium Limited" at 48.405,-54.317 h0.76
  text ".PRINT_DATE" at 82.695,-54.825 h0.76
  text "12a Rodborough Rd" at 48.405,-56.857 h0.76
  text "Frenchs Forest" at 48.405,-59.397 h0.76
  text "FILE NAME:" at 81.425,-59.397 h0.76
  text "DWG NO:" at 119.525,-59.397 h0.76
  text "SCALE:" at 172.865,-59.397 h0.76
  text "NSW 2086" at 48.405,-61.937 h0.76
  text ".PCB_FILE_NAME_NO_PATH" at 82.695,-62.445 h0.76
  text "1" at -56.319,-67.906 h0.76
  text "2" at 16.325,-67.906 h0.76
  text "3" at 89.477,-67.906 h0.76
  text "4" at 162.375,-67.906 h0.76

## Dimensions
-4.485,-3.506 to 120.515,-3.506 on Top Overlay
-4.485,-3.506 to 10.507,50.306 on Top Overlay